# Altium PCB PCB_drone.PcbDoc (part 2 of 2)
Units mm, origin at the board's own origin, x right, y up, seen from the top; angles counter-clockwise.
Board outline 100 x 100 mm, 2 copper layers (Top Layer, Bottom Layer); 74 components, 53 nets, 290 pads, 74 vias.
Unrouted connection lines stored in the file: 2.
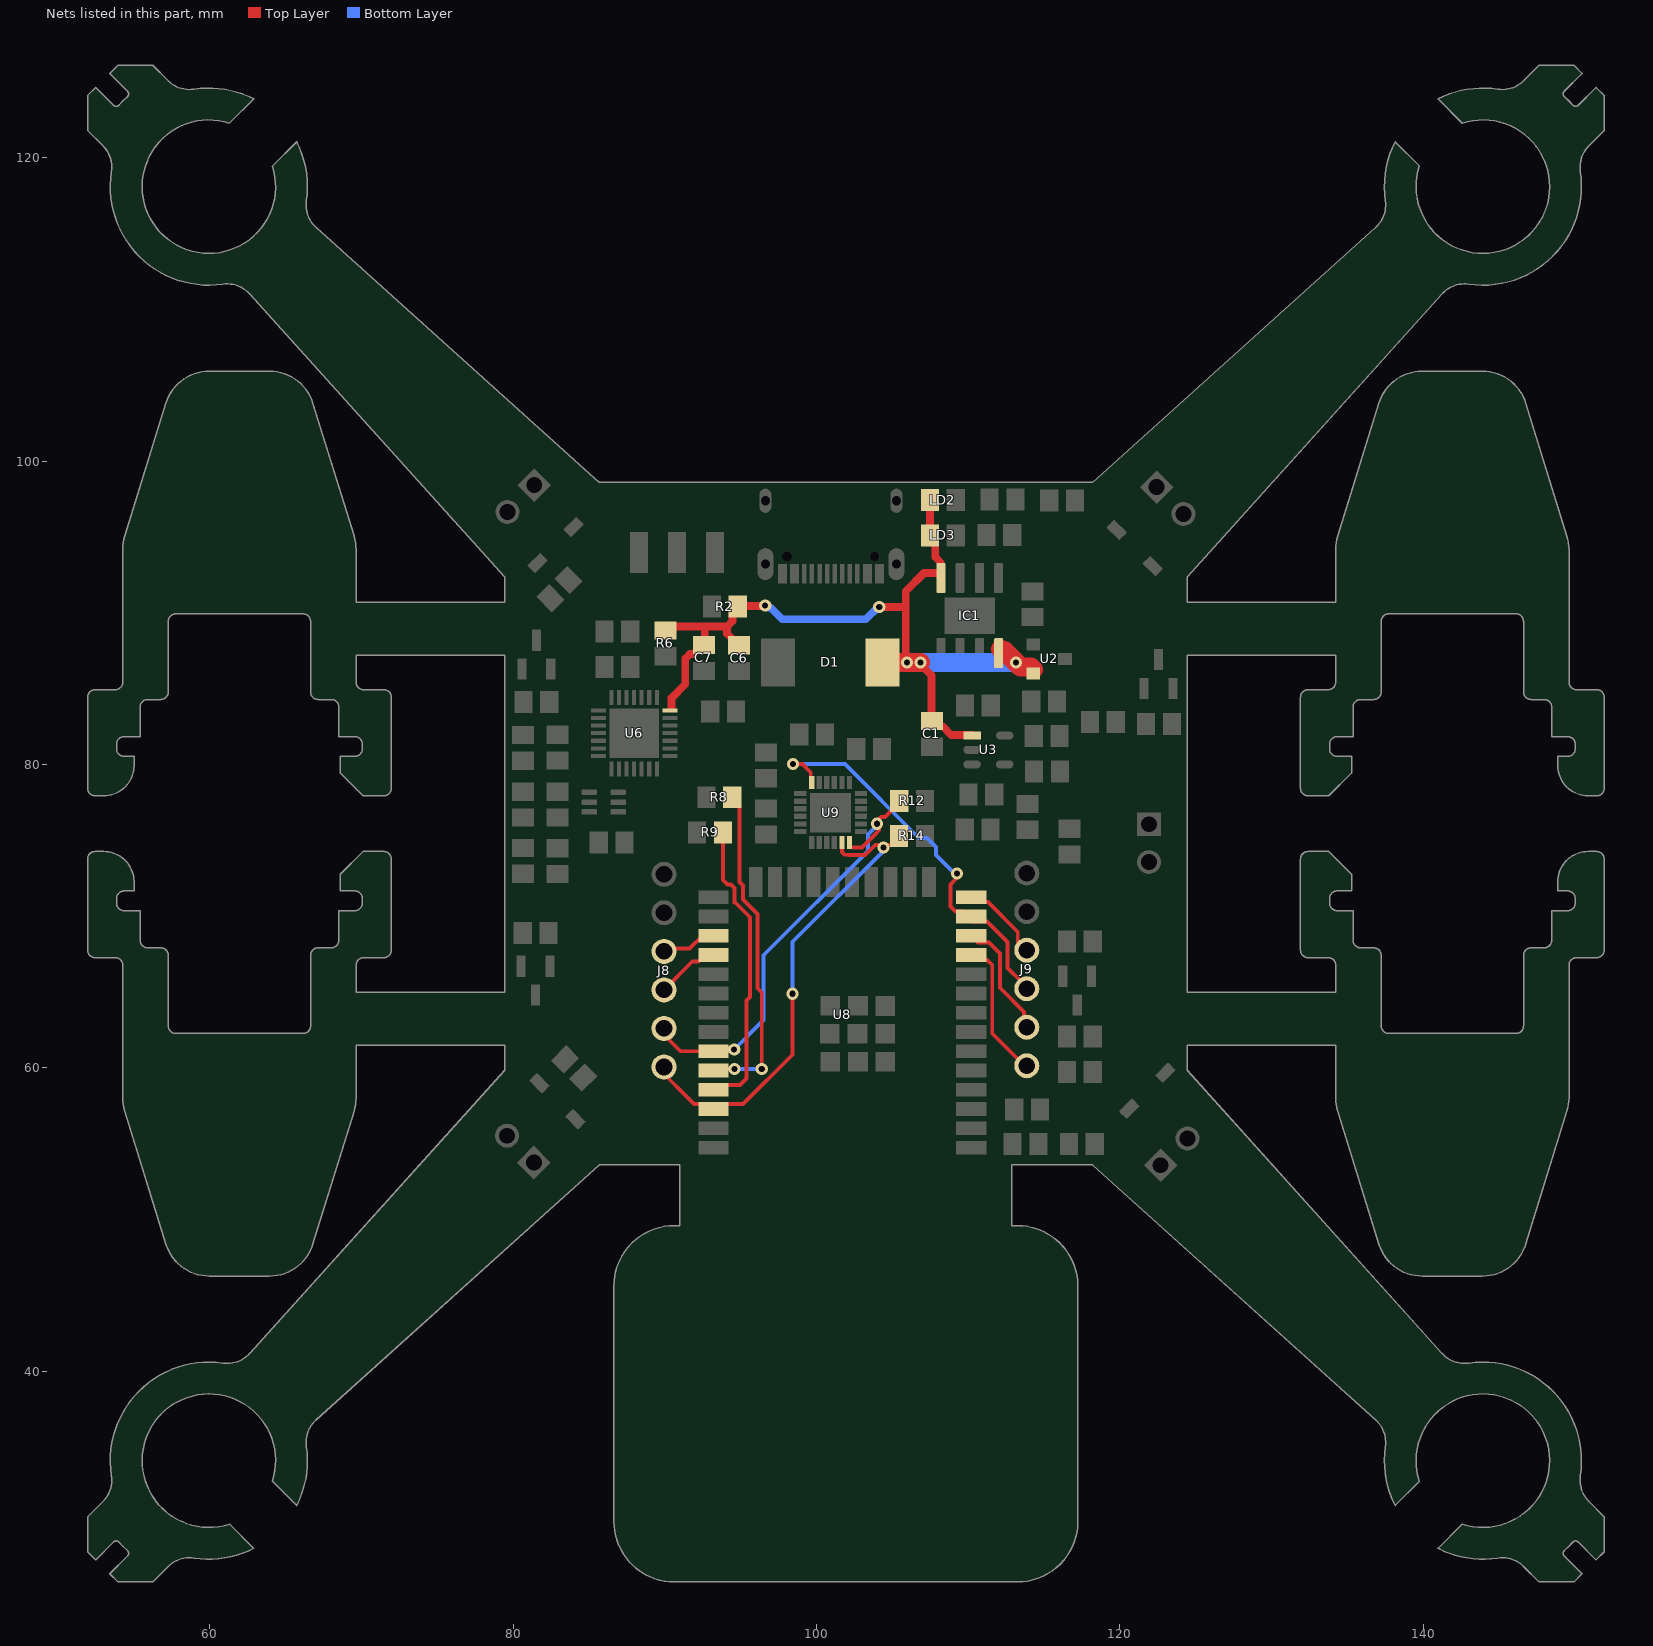
[diagram p2: the nets of this part, all layers, seen from the top]

## Via types
v1: diameter 0.8, hole 0.4, Top Layer to Bottom Layer, tented both sides, 68 vias
v2: diameter 0.5, hole 0.2, Top Layer to Bottom Layer, 4 vias
v3: diameter 0.8, hole 0.4, Top Layer to Bottom Layer, 2 vias

## Nets (pads, with @x,y where several pads share a name; then routed paths per layer and width w, separated by ;. In a path a pad name is that pad's centre, name@x,y a point inside that pad or via, vN(x,y) a via of type N, cw(c..) or ccw(c..) an arc to the next point about the centre after c; other vN are vias at no path point) (continued)
RX: R8.2 U8.34 | length 21.6
  Top Layer w0.254: U8.34@93.57,59.88 93.615,59.925 v1(94.596,59.925) ; R8.2@94.324,77.851 94.922,77.253 94.922,72.257 95.154,72.025 95.154,71.114 96.12,70.148 96.12,65.256 96.393,64.983 v1(96.393,59.944)
  Bottom Layer w0.254: v1(94.596,59.925) 94.605,59.935 96.384,59.935 v1(96.393,59.944)
RXD2: J8.3 U8.27 | length 3.7
  Top Layer w0.254: J8.3@89.952,67.691 90.131,67.87 91.638,67.87 92.49,68.723 U8.27@93.209,68.723
SCL: J8.6 R14.2 U8.36 U9.23 | length 32.8
  Top Layer w0.254: J8.6@89.535,60.071 89.535,60.012 91.931,57.616 92.65,57.616 92.973,57.293 93.296,57.616 95.169,57.616 98.425,60.872 v1(98.425,64.897) ; U9.23@101.683,74.868 101.683,74.229 101.85,74.062 102.131,74.062 102.152,74.041 103.213,74.041 103.874,74.702 104.976,74.702 105.449,75.175 R14.2@105.449,75.3
  Bottom Layer w0.254: v1(98.425,64.897) 98.425,68.326 104.417,74.318 v1(104.417,74.526)
SDA: J8.5 R12.2 U8.33 U9.24 | length 29.5
  Top Layer w0.254: J8.5@89.535,62.611 91.043,61.103 92.973,61.103 93.084,61.214 v1(94.577,61.214) ; 102.362,74.549 103.003,74.549 103.992,75.539 103.992,75.546 104.119,75.673 v1@104.119,76.105 ; v1(103.987,76.105) v1@104.119,76.105 ; R12.2@105.455,77.611 105.455,77.486 104.528,76.558 104.244,76.558 104.119,76.433 v1@104.119,76.105
  Bottom Layer w0.254: v1(94.577,61.214) 96.52,63.157 96.52,67.437 103.401,74.318 103.401,75.407 103.987,75.993 v1(103.987,76.105)
SRV_1: J9.3 U8.14 | length 5.4
  Top Layer w0.254: U8.14@109.973,71.263 110.296,70.94 111.305,70.94 113.271,68.974 113.271,68.212 J9.3@113.538,67.945
SRV_2: J9.4 U8.13 U9.12 | length 27.2
  Top Layer w0.254: v1(98.45,80.035) 99.072,80.035 99.627,79.481 U9.12@99.627,79.183 ; v1(109.271,72.822) 109.271,72.547 108.828,72.104 108.828,70.655 109.167,70.316 109.65,70.316 110.296,69.67 U8.13@110.532,69.67 ; U8.13@110.209,69.993 U8.13@110.532,69.67 ; U8.13@111.015,69.67 U8.13@110.532,69.67 ; J9.4@113.538,65.338 113.538,65.668 112.606,66.6 112.606,68.315 111.251,69.67 U8.13@110.532,69.67
  Bottom Layer w0.254: v1(98.45,80.035) 101.879,80.035 106.747,75.168 107.279,75.168 107.874,74.573 107.874,74.041 109.093,72.822 v1(109.271,72.822)
SRV_3: J9.5 U8.12 | length 8
  Top Layer w0.254: U8.12@110.209,68.723 110.648,68.284 111.367,68.284 112.098,67.553 112.098,65.292 113.687,63.703 113.687,62.869 J9.5@113.868,62.687
SRV_4: J9.6 U8.11 | length 9.2
  Top Layer w0.254: U8.11@109.973,67.453 110.296,67.13 111.251,67.13 111.59,66.791 111.59,65.575 111.59,62.273 J9.6@113.538,60.325
TX: R9.2 U8.35 | length 19.9
  Top Layer w0.254: U8.35@92.973,58.563 93.296,58.886 94.954,58.886 95.377,59.309 95.377,64.44 95.612,64.675 95.612,69.938 94.655,70.895 94.59,70.895 94.59,71.871 94.367,72.094 94.131,72.094 93.832,72.393 R9.2@93.832,75.438
TXD2: J8.4 U8.28 | length 4.2
  Top Layer w0.254: J8.4@89.952,65.151 91.815,67.014 92.22,67.014 92.659,67.453 U8.28@93.209,67.453
Vbus: C1.1 C6.2 C7.2 D1.C IC1.4 IC1.8 LD2.2 LD3.2 R2.1 R6.1 U2.2 U3.1 U6.7 | length 57.2
  Top Layer w0.508: R6.1@90.263,88.57 90.292,88.6 R6.1@90.504,88.812 ; 90.449,83.769 90.449,84.397 91.35,85.298 91.35,86.993 91.648,87.29 91.866,87.29 92.458,87.882 C7.2@92.583,87.882 92.627,87.926 92.627,89.103 ; R6.1@90.5,89.115 92.627,89.115 92.627,89.103 ; 92.449,89.103 92.627,89.103 ; C6.2@94.996,87.87 C6.2@94.894,87.87 94.871,87.87 94.107,88.634 94.107,89.103 ; v1(96.622,90.5) 96.584,90.462 94.843,90.462 R2.1@94.805,90.424 94.459,90.078 94.459,89.455 94.107,89.103 ; v1(104.14,90.39) 105.749,90.39 105.885,90.526 ; v1@105.918,86.741 105.885,86.774 105.885,90.526 ; v1@106.807,86.741 106.807,86.662 107.582,85.887 ; LD2.2@107.481,97.434 LD3.2@107.481,95.123 107.827,94.777 107.827,93.696 108.204,93.319 108.204,92.635 107.091,92.635 105.885,91.428 105.885,90.526 ; 107.588,85.887 107.588,82.779 107.837,82.53 108.318,82.53 108.896,81.952 U3.1@110.236,81.952 ; 92.627,89.103 94.107,89.103
  Top Layer w1.27: D1.C@104.389,86.741 v1(105.965,86.741) v1(106.854,86.741) ; IC1.4@112.133,87.633 112.263,87.503 112.395,87.503 v1(113.157,86.741) 113.462,86.436 114.128,86.436 U2.2@114.291,86.274
  Bottom Layer w0.508: v1(96.622,90.5) 96.701,90.5 96.847,90.354 96.974,90.354 97.743,89.586 103.257,89.586 104.061,90.39 v1(104.14,90.39)
  Bottom Layer w1.27: v1@106.807,86.741 v1(113.157,86.741)
pads on no net: J1. J1.A5 J1.A8 J1.A12 J1.B4 J1.B5 J1.B8 J1.S2 J1.S3 J1.S4 U6.1 U6.2 U6.10 U6.11 U6.12 U6.13 U6.14 U6.15 U6.16 U6.17 U6.18 U6.19 U6.20 U6.21 U6.22 U6.23 U6.27 U6.29 U8.4 U8.5 U8.6 U8.15 U8.16 U8.17 U8.18 U8.19 U8.20 U8.21 U8.22 U8.23 U8.24 U8.31 U8.32 U8.38 U8.39 U9.2 U9.3 U9.4 U9.5 U9.6 U9.7 U9.14 U9.15 U9.16 U9.17 U9.19 U9.21 U9.22 U9.25
copper on no net:
  other v2: 100.383,76.293 101.483,76.293 100.383,77.393 101.483,77.393

## Polygon pours and split planes (outlines as drawn)
GND on Bottom Layer "GND_L02_P003" (solid, pour order 3): 79.451,92.354 85.7,98.603 118.212,98.603 124.294,92.519 124.435,88.621 124.435,59.842 118.212,53.619 85.7,53.619 79.451,59.868
GND on Top Layer "GND_L01_P002" (solid, pour order 2): 79.451,92.38 85.674,98.603 118.237,98.603 124.46,92.38 124.435,92.354 124.435,59.842 118.212,53.619 118.186,53.645 85.674,53.645 79.451,59.868

## Keep-outs
Keep-Out Layer:
  lines w0: 52.442,84.946 ccw(c52.442,84.446) 51.941,84.446 51.941,78.446 ccw(c52.442,78.446) 52.442,77.945 53.006,77.945 ccw(c53.006,79.945) 55.006,79.945 55.006,80.545 54.355,80.545 cw(c54.355,81.045) 53.855,81.045 ; 52.442,84.945 52.442,84.946 ; 52.442,84.945 53.765,84.945 ccw(c53.765,85.446) 54.265,85.446 54.265,94.183 cw(c57.265,94.183) 54.399,95.07 57.111,103.83 cw(c59.977,102.943) 59.977,105.943 ; 53.855,70.876 ccw(c54.355,70.876) 54.356,70.376 55.406,70.376 55.406,68.426 55.406,68.426 ccw(c55.906,68.426) 55.906,67.926 56.765,67.926 cw(c56.765,67.426) 57.265,67.426 57.265,62.776 ccw(c57.765,62.776) 57.765,62.276 66.146,62.276 ; 53.856,70.876 53.856,71.176 cw(c54.355,71.176) 54.356,71.676 55.006,71.676 55.006,72.276 ccw(c53.006,72.276) 53.006,74.276 52.442,74.276 ccw(c52.442,73.776) 51.941,73.776 51.942,67.776 ccw(c52.442,67.776) 52.442,67.276 53.765,67.276 cw(c53.765,66.776) 54.265,66.776 54.265,58.038 ccw(c57.265,58.038) 54.399,57.151 57.111,48.391 ccw(c59.977,49.278) 59.977,46.278 63.934,46.278 ; 53.855,70.876 53.856,70.876 ; 53.856,81.046 53.856,81.345 cw(c54.355,81.345) 54.356,81.845 55.406,81.845 55.406,83.796 cw(c55.906,83.796) 55.906,84.296 56.765,84.295 ccw(c56.765,84.796) 57.265,84.796 57.265,89.446 cw(c57.765,89.446) 57.765,89.945 66.146,89.945 cw(c66.146,89.446) 66.646,89.446 66.646,84.796 ccw(c67.146,84.796) 67.146,84.295 68.006,84.295 cw(c68.006,83.796) 68.506,83.796 68.506,81.845 69.556,81.845 cw(c69.556,81.345) 70.055,81.345 70.056,81.046 cw(c69.556,81.045) 69.556,80.545 68.606,80.545 68.606,79.446 70.106,77.945 71.47,77.945 ccw(c71.47,78.446) 71.97,78.446 71.97,84.446 ccw(c71.47,84.446) 71.47,84.945 70.146,84.945 cw(c70.146,85.446) 69.646,85.446 69.646,85.446 69.646,87.219 79.442,87.219 79.442,65.003 69.646,65.003 69.646,66.776 cw(c70.146,66.776) 70.146,67.276 ; 53.855,81.046 53.856,81.046 ; 54.575,27.824 ccw(c54.398,28.001) 54.566,28.186 54.568,28.184 cw(c59.942,34.111) 54.015,28.737 54.017,28.735 ccw(c53.832,28.567) 53.655,28.744 52.482,27.57 51.941,28.111 51.941,30.405 52.953,31.416 ccw(c51.538,32.831) 53.516,33.133 53.514,33.139 cw(c59.941,34.111) 60.869,40.544 60.865,40.545 ccw(c61.15,42.524) 62.636,41.186 79.442,59.85 79.442,61.503 69.646,61.503 69.646,58.038 cw(c66.646,58.038) 69.512,57.151 66.8,48.391 cw(c63.934,49.278) 63.934,46.278 ; 54.574,27.824 54.575,27.824 ; 54.574,27.824 53.401,26.651 53.941,26.111 56.236,26.111 57.247,27.122 cw(c58.662,25.708) 58.964,27.685 58.958,27.685 ccw(c59.941,34.111) 62.892,28.319 62.901,28.323 61.299,29.925 61.301,29.926 cw(c59.941,34.111) 64.128,32.758 64.127,32.754 65.729,31.152 65.728,31.149 ccw(c59.942,34.111) 66.376,35.034 cw(c68.355,35.319) 67.017,36.805 ; 57.247,125.099 ccw(c58.662,126.514) 58.964,124.537 58.969,124.538 cw(c59.941,118.111) 62.903,123.897 61.294,122.298 ccw(c59.941,118.111) 64.126,119.47 64.127,119.468 65.729,121.07 65.728,121.072 cw(c59.941,118.111) 66.375,117.184 66.376,117.187 ccw(c68.355,116.902) 67.017,115.416 85.681,98.611 94.291,98.611 109.592,98.611 118.202,98.611 136.866,115.416 ; 57.247,125.1 56.236,126.111 53.941,126.111 53.401,125.57 54.574,124.397 54.571,124.401 cw(c54.398,124.22) 54.566,124.035 54.568,124.037 ccw(c59.941,118.111) 54.015,123.484 54.017,123.487 cw(c53.832,123.654) 53.655,123.478 53.655,123.478 52.482,124.651 51.941,124.111 51.941,121.816 52.953,120.805 cw(c51.538,119.391) 53.515,119.088 53.516,119.094 ccw(c59.941,118.111) 60.857,111.675 60.865,111.677 cw(c61.15,109.697) 62.636,111.035 79.442,92.371 79.442,90.719 69.646,90.719 69.646,94.183 ccw(c66.646,94.183) 69.512,95.07 66.8,103.83 ccw(c63.934,102.943) 63.934,105.943 59.977,105.943 ; 57.247,125.099 57.247,125.1 ; 59.977,105.943 59.977,105.943 ; 63.934,46.278 63.934,46.278 ; 66.146,62.276 ccw(c66.146,62.776) 66.646,62.776 66.646,67.426 cw(c67.146,67.426) 67.146,67.926 68.006,67.926 ccw(c68.006,68.426) 68.506,68.426 68.506,70.376 69.556,70.376 ccw(c69.556,70.876) 70.056,70.876 70.056,71.176 ; 66.146,62.276 66.146,62.276 ; 67.017,36.805 85.681,53.611 90.991,53.611 90.991,49.611 90.641,49.611 ccw(c90.641,45.611) 86.641,45.611 86.641,30.111 ccw(c90.641,30.111) 90.641,26.111 113.242,26.111 ccw(c113.242,30.111) 117.242,30.111 117.242,45.611 ccw(c113.242,45.611) 113.242,49.611 112.892,49.611 112.892,53.611 118.202,53.611 136.866,36.805 cw(c135.528,35.319) 137.507,35.034 137.508,35.038 ccw(c143.941,34.111) 138.154,31.152 139.757,32.751 cw(c143.942,34.111) 142.589,29.924 142.584,29.925 140.982,28.323 140.98,28.324 ccw(c143.942,34.111) 144.913,27.684 144.919,27.685 cw(c145.221,25.708) 146.636,27.122 ; 67.017,36.805 67.017,36.805 ; 70.055,71.176 ccw(c69.556,71.176) 69.556,71.676 68.606,71.676 68.606,72.776 70.106,74.276 71.47,74.276 cw(c71.47,73.776) 71.97,73.776 71.97,67.776 cw(c71.47,67.776) 71.47,67.276 70.146,67.276 ; 70.055,71.176 70.056,71.176 ; 70.146,67.276 70.146,67.276 ; 93.442,29.111 ccw(c94.442,29.111) 94.442,28.111 ; 93.442,29.111 ccw(c94.442,29.111) 94.442,28.111 ; 93.442,29.111 93.442,46.611 cw(c94.442,46.611) 94.442,47.611 109.441,47.611 cw(c109.441,46.611) 110.441,46.611 110.441,29.111 cw(c109.441,29.111) 109.441,28.111 94.442,28.111 ; 93.442,29.111 94.442,28.111 ; 131.913,67.776 ccw(c132.413,67.776) 132.413,67.276 133.737,67.276 cw(c133.737,66.776) 134.237,66.776 134.237,65.003 124.441,65.003 124.441,87.219 134.237,87.219 134.237,85.446 cw(c133.737,85.446) 133.737,84.946 132.413,84.945 ; 131.913,67.776 131.913,73.776 cw(c132.413,73.776) 132.413,74.276 133.777,74.276 135.277,72.776 135.277,71.676 134.327,71.676 ; 131.913,67.776 131.913,67.776 ; 132.413,84.946 ccw(c132.413,84.446) 131.913,84.446 131.913,78.446 ccw(c132.413,78.446) 132.413,77.945 133.777,77.945 135.277,79.446 135.277,80.545 134.327,80.545 cw(c134.327,81.045) 133.827,81.045 133.827,81.345 cw(c134.327,81.345) 134.327,81.846 135.377,81.845 135.377,83.796 cw(c135.877,83.796) 135.877,84.295 136.737,84.296 ccw(c136.737,84.796) 137.237,84.796 137.237,89.446 cw(c137.737,89.446) 137.737,89.946 ; 132.413,84.945 132.413,84.946 ; 134.327,71.676 ccw(c134.327,71.176) 133.827,71.176 133.827,70.876 ccw(c134.327,70.876) 134.327,70.376 135.377,70.376 135.377,68.426 ccw(c135.877,68.426) 135.877,67.926 136.737,67.926 cw(c136.737,67.426) 137.237,67.426 137.237,67.426 137.237,62.776 ccw(c137.737,62.776) 137.737,62.276 146.118,62.276 ; 134.327,71.676 134.327,71.676 ; 136.866,115.416 ccw(c135.528,116.902) 137.508,117.184 cw(c143.942,118.111) 138.155,121.072 138.154,121.07 139.756,119.468 139.755,119.463 ccw(c143.942,118.111) 142.582,122.295 140.982,123.898 140.991,123.902 cw(c143.942,118.111) 144.925,124.536 144.919,124.537 ccw(c145.221,126.514) 146.636,125.1 147.647,126.111 149.942,126.111 150.482,125.57 149.309,124.397 ; 136.866,115.416 136.866,115.416 ; 137.083,48.391 ccw(c139.948,49.278) 139.948,46.278 143.906,46.278 ; 137.083,48.391 134.371,57.151 cw(c137.237,58.038) 134.237,58.038 134.237,61.503 124.441,61.503 124.441,59.85 141.247,41.186 ccw(c142.733,42.524) 143.018,40.545 143.026,40.546 cw(c143.942,34.111) 150.367,33.127 150.368,33.133 ccw(c152.345,32.831) 150.93,31.416 151.942,30.405 151.942,28.111 151.401,27.57 150.228,28.744 ; 137.083,48.391 137.083,48.391 ; 137.737,89.945 146.118,89.945 cw(c146.118,89.446) 146.618,89.446 ; 137.737,89.945 137.737,89.946 ; 139.948,105.943 ccw(c139.948,102.943) 137.083,103.83 134.371,95.07 ccw(c137.237,94.183) 134.237,94.183 134.237,90.719 124.441,90.719 124.441,92.371 141.247,111.035 cw(c142.733,109.697) 143.018,111.676 143.014,111.677 ccw(c143.942,118.111) 150.369,119.082 150.367,119.088 cw(c152.345,119.391) 150.93,120.805 ; 139.948,105.943 143.906,105.943 cw(c143.906,102.943) 146.772,103.83 149.484,95.07 cw(c146.618,94.183) 149.618,94.183 149.618,85.446 ; 139.948,105.943 139.948,105.943 ; 143.906,46.278 ccw(c143.906,49.278) 146.772,48.391 ; 143.906,46.278 143.906,46.278 ; 146.118,62.276 ccw(c146.118,62.776) 146.618,62.776 146.618,67.426 cw(c147.118,67.426) 147.118,67.926 147.977,67.926 ccw(c147.977,68.426) 148.477,68.426 148.477,70.376 149.527,70.376 ccw(c149.527,70.876) 150.027,70.876 150.027,71.176 ; 146.118,62.276 146.118,62.276 ; 146.618,84.796 ccw(c147.118,84.796) 147.118,84.295 147.977,84.295 cw(c147.977,83.796) 148.477,83.796 148.477,81.845 149.527,81.845 cw(c149.527,81.345) 150.027,81.345 150.027,81.046 cw(c149.527,81.045) 149.527,80.545 148.877,80.545 148.877,79.945 ccw(c150.877,79.945) 150.877,77.945 151.441,77.945 ccw(c151.441,78.446) 151.942,78.446 151.941,84.446 ccw(c151.441,84.446) 151.441,84.945 150.118,84.945 cw(c150.118,85.446) 149.618,85.446 ; 146.618,84.796 146.618,89.446 ; 146.618,84.796 146.618,84.796 ; 146.618,89.446 146.618,89.446 ; 146.636,27.122 147.647,26.111 149.942,26.111 150.482,26.651 149.309,27.824 cw(c149.485,28.001) 149.318,28.186 149.315,28.184 ccw(c143.942,34.111) 149.868,28.737 149.866,28.735 cw(c150.051,28.567) 150.228,28.744 ; 146.636,27.122 146.636,27.122 ; 146.772,48.391 149.484,57.151 ccw(c146.618,58.038) 149.618,58.038 149.618,66.776 cw(c150.118,66.776) 150.118,67.276 151.441,67.276 ccw(c151.441,67.776) 151.942,67.776 151.942,73.776 ccw(c151.441,73.776) 151.441,74.276 150.877,74.276 ccw(c150.877,72.276) 148.877,72.276 148.877,71.676 149.527,71.676 cw(c149.527,71.176) 150.027,71.176 ; 146.772,48.391 146.772,48.391 ; 149.309,124.397 ccw(c149.485,124.22) 149.317,124.035 149.315,124.037 cw(c143.942,118.111) 149.866,123.487 ccw(c150.051,123.654) 150.228,123.478 151.401,124.651 151.942,124.111 151.942,121.816 150.93,120.805 ; 149.309,124.397 149.309,124.397 ; 149.618,85.446 149.618,85.446 ; 150.027,71.176 150.027,71.176 ; 150.228,28.744 150.228,28.744 ; 150.93,120.805 150.93,120.805 ; 58.341,55.01 cw(c60.729,55.749) 60.729,58.249 63.179,58.249 cw(c63.179,55.749) 65.567,55.01 64.479,51.273 cw(c63.199,51.669) 63.179,50.329 60.789,50.329 cw(c60.769,51.669) 59.489,51.273 58.341,55.01
  lines w0.254: 52.442,84.946 ccw(c52.442,84.446) 51.941,84.446 51.941,78.446 ccw(c52.442,78.446) 52.442,77.945 53.006,77.945 ccw(c53.006,79.945) 55.006,79.945 55.006,80.545 54.355,80.545 cw(c54.355,81.045) 53.855,81.045 ; 52.442,84.945 52.442,84.946 ; 52.442,84.945 53.765,84.945 ccw(c53.765,85.446) 54.265,85.446 54.265,94.183 cw(c57.265,94.183) 54.399,95.07 57.111,103.83 cw(c59.977,102.943) 59.977,105.943 ; 53.855,70.876 ccw(c54.355,70.876) 54.356,70.376 55.406,70.376 55.406,68.426 55.406,68.426 ccw(c55.906,68.426) 55.906,67.926 56.765,67.926 cw(c56.765,67.426) 57.265,67.426 57.265,62.776 ccw(c57.765,62.776) 57.765,62.276 66.146,62.276 ; 53.856,70.876 53.856,71.176 cw(c54.355,71.176) 54.356,71.676 55.006,71.676 55.006,72.276 ccw(c53.006,72.276) 53.006,74.276 52.442,74.276 ccw(c52.442,73.776) 51.941,73.776 51.942,67.776 ccw(c52.442,67.776) 52.442,67.276 53.765,67.276 cw(c53.765,66.776) 54.265,66.776 54.265,58.038 ccw(c57.265,58.038) 54.399,57.151 57.111,48.391 ccw(c59.977,49.278) 59.977,46.278 63.934,46.278 ; 53.855,70.876 53.856,70.876 ; 53.856,81.046 53.856,81.345 cw(c54.355,81.345) 54.356,81.845 55.406,81.845 55.406,83.796 cw(c55.906,83.796) 55.906,84.296 56.765,84.295 ccw(c56.765,84.796) 57.265,84.796 57.265,89.446 cw(c57.765,89.446) 57.765,89.945 66.146,89.945 cw(c66.146,89.446) 66.646,89.446 66.646,84.796 ccw(c67.146,84.796) 67.146,84.295 68.006,84.295 cw(c68.006,83.796) 68.506,83.796 68.506,81.845 69.556,81.845 cw(c69.556,81.345) 70.055,81.345 70.056,81.046 cw(c69.556,81.045) 69.556,80.545 68.606,80.545 68.606,79.446 70.106,77.945 71.47,77.945 ccw(c71.47,78.446) 71.97,78.446 71.97,84.446 ccw(c71.47,84.446) 71.47,84.945 70.146,84.945 cw(c70.146,85.446) 69.646,85.446 69.646,85.446 69.646,87.219 79.442,87.219 79.442,65.003 69.646,65.003 69.646,66.776 cw(c70.146,66.776) 70.146,67.276 ; 53.855,81.046 53.856,81.046 ; 54.575,27.824 ccw(c54.398,28.001) 54.566,28.186 54.568,28.184 cw(c59.942,34.111) 54.015,28.737 54.017,28.735 ccw(c53.832,28.567) 53.655,28.744 52.482,27.57 51.941,28.111 51.941,30.405 52.953,31.416 ccw(c51.538,32.831) 53.516,33.133 53.514,33.139 cw(c59.941,34.111) 60.869,40.544 60.865,40.545 ccw(c61.15,42.524) 62.636,41.186 79.442,59.85 79.442,61.503 69.646,61.503 69.646,58.038 cw(c66.646,58.038) 69.512,57.151 66.8,48.391 cw(c63.934,49.278) 63.934,46.278 ; 54.574,27.824 54.575,27.824 ; 54.574,27.824 53.401,26.651 53.941,26.111 56.236,26.111 57.247,27.122 cw(c58.662,25.708) 58.964,27.685 58.958,27.685 ccw(c59.941,34.111) 62.892,28.319 62.901,28.323 61.299,29.925 61.301,29.926 cw(c59.941,34.111) 64.128,32.758 64.127,32.754 65.729,31.152 65.728,31.149 ccw(c59.942,34.111) 66.376,35.034 cw(c68.355,35.319) 67.017,36.805 ; 57.247,125.099 ccw(c58.662,126.514) 58.964,124.537 58.969,124.538 cw(c59.941,118.111) 62.903,123.897 61.294,122.298 ccw(c59.941,118.111) 64.126,119.47 64.127,119.468 65.729,121.07 65.728,121.072 cw(c59.941,118.111) 66.375,117.184 66.376,117.187 ccw(c68.355,116.902) 67.017,115.416 85.681,98.611 94.291,98.611 109.592,98.611 118.202,98.611 136.866,115.416 ; 57.247,125.1 56.236,126.111 53.941,126.111 53.401,125.57 54.574,124.397 54.571,124.401 cw(c54.398,124.22) 54.566,124.035 54.568,124.037 ccw(c59.941,118.111) 54.015,123.484 54.017,123.487 cw(c53.832,123.654) 53.655,123.478 53.655,123.478 52.482,124.651 51.941,124.111 51.941,121.816 52.953,120.805 cw(c51.538,119.391) 53.515,119.088 53.516,119.094 ccw(c59.941,118.111) 60.857,111.675 60.865,111.677 cw(c61.15,109.697) 62.636,111.035 79.442,92.371 79.442,90.719 69.646,90.719 69.646,94.183 ccw(c66.646,94.183) 69.512,95.07 66.8,103.83 ccw(c63.934,102.943) 63.934,105.943 59.977,105.943 ; 57.247,125.099 57.247,125.1 ; 59.977,105.943 59.977,105.943 ; 63.934,46.278 63.934,46.278 ; 65.289,111.825 cw(c65.476,111.992) 65.308,112.177 ; 65.289,111.825 cw(c65.476,111.992) 65.308,112.177 ; 65.289,111.825 68.773,108.347 ccw(c68.94,108.533) 69.125,108.365 69.691,108.93 ccw(c69.523,109.116) 69.709,109.283 66.227,112.763 ccw(c66.06,112.576) 65.875,112.744 cw(c59.95,118.117) 65.312,112.182 65.308,112.177 ; 66.146,62.276 ccw(c66.146,62.776) 66.646,62.776 66.646,67.426 cw(c67.146,67.426) 67.146,67.926 68.006,67.926 ccw(c68.006,68.426) 68.506,68.426 68.506,70.376 69.556,70.376 ccw(c69.556,70.876) 70.056,70.876 70.056,71.176 ; 66.146,62.276 66.146,62.276 ; 67.017,36.805 85.681,53.611 90.991,53.611 90.991,49.611 90.641,49.611 ccw(c90.641,45.611) 86.641,45.611 86.641,30.111 ccw(c90.641,30.111) 90.641,26.111 113.242,26.111 ccw(c113.242,30.111) 117.242,30.111 117.242,45.611 ccw(c113.242,45.611) 113.242,49.611 112.892,49.611 112.892,53.611 118.202,53.611 136.866,36.805 cw(c135.528,35.319) 137.507,35.034 137.508,35.038 ccw(c143.941,34.111) 138.154,31.152 139.757,32.751 cw(c143.942,34.111) 142.589,29.924 142.584,29.925 140.982,28.323 140.98,28.324 ccw(c143.942,34.111) 144.913,27.684 144.919,27.685 cw(c145.221,25.708) 146.636,27.122 ; 67.017,36.805 67.017,36.805 ; 70.055,71.176 ccw(c69.556,71.176) 69.556,71.676 68.606,71.676 68.606,72.776 70.106,74.276 71.47,74.276 cw(c71.47,73.776) 71.97,73.776 71.97,67.776 cw(c71.47,67.776) 71.47,67.276 70.146,67.276 ; 70.055,71.176 70.056,71.176 ; 70.146,67.276 70.146,67.276 ; 93.442,29.111 ccw(c94.442,29.111) 94.442,28.111 ; 93.442,29.111 ccw(c94.442,29.111) 94.442,28.111 ; 93.442,29.111 93.442,46.611 cw(c94.442,46.611) 94.442,47.611 109.441,47.611 cw(c109.441,46.611) 110.441,46.611 110.441,29.111 cw(c109.441,29.111) 109.441,28.111 94.442,28.111 ; 131.913,67.776 ccw(c132.413,67.776) 132.413,67.276 133.737,67.276 cw(c133.737,66.776) 134.237,66.776 134.237,65.003 124.441,65.003 124.441,87.219 134.237,87.219 134.237,85.446 cw(c133.737,85.446) 133.737,84.946 132.413,84.945 ; 131.913,67.776 131.913,67.776 ; 131.913,67.776 131.913,73.776 cw(c132.413,73.776) 132.413,74.276 133.777,74.276 135.277,72.776 135.277,71.676 134.327,71.676 ; 132.413,84.946 ccw(c132.413,84.446) 131.913,84.446 131.913,78.446 ccw(c132.413,78.446) 132.413,77.945 133.777,77.945 135.277,79.446 135.277,80.545 134.327,80.545 cw(c134.327,81.045) 133.827,81.045 133.827,81.345 cw(c134.327,81.345) 134.327,81.846 135.377,81.845 135.377,83.796 cw(c135.877,83.796) 135.877,84.295 136.737,84.296 ccw(c136.737,84.796) 137.237,84.796 137.237,89.446 cw(c137.737,89.446) 137.737,89.946 ; 132.413,84.945 132.413,84.946 ; 134.327,71.676 ccw(c134.327,71.176) 133.827,71.176 133.827,70.876 ccw(c134.327,70.876) 134.327,70.376 135.377,70.376 135.377,68.426 ccw(c135.877,68.426) 135.877,67.926 136.737,67.926 cw(c136.737,67.426) 137.237,67.426 137.237,67.426 137.237,62.776 ccw(c137.737,62.776) 137.737,62.276 146.118,62.276 ; 134.327,71.676 134.327,71.676 ; 134.761,108.361 ccw(c134.947,108.529) 135.114,108.343 ; 134.761,108.361 ccw(c134.947,108.529) 135.114,108.343 ; 134.761,108.361 134.196,108.927 cw(c134.364,109.112) 134.178,109.279 137.656,112.762 cw(c137.823,112.576) 138.008,112.744 ; 135.114,108.343 138.594,111.825 ccw(c138.407,111.992) 138.575,112.177 cw(c143.941,118.11) 138.008,112.744 ; 136.866,115.416 ccw(c135.528,116.902) 137.508,117.184 cw(c143.942,118.111) 138.155,121.072 138.154,121.07 139.756,119.468 139.755,119.463 ccw(c143.942,118.111) 142.582,122.295 140.982,123.898 140.991,123.902 cw(c143.942,118.111) 144.925,124.536 144.919,124.537 ccw(c145.221,126.514) 146.636,125.1 147.647,126.111 149.942,126.111 150.482,125.57 149.309,124.397 ; 136.866,115.416 136.866,115.416 ; 137.737,89.945 146.118,89.945 cw(c146.118,89.446) 146.618,89.446 ; 137.737,89.945 137.737,89.946 ; 138.008,112.744 138.008,112.744 ; 138.575,40.044 ccw(c138.407,40.229) 138.593,40.397 ; 138.575,40.044 ccw(c138.407,40.229) 138.593,40.397 ; 138.575,40.044 138.008,39.477 cw(c137.823,39.645) 137.656,39.459 134.174,42.938 cw(c134.36,43.105) 134.192,43.291 134.758,43.856 cw(c134.943,43.688) 135.11,43.875 138.594,40.397 ; 138.593,40.397 138.594,40.397 ; 139.948,105.943 ccw(c139.948,102.943) 137.083,103.83 134.371,95.07 ccw(c137.237,94.183) 134.237,94.183 134.237,90.719 124.441,90.719 124.441,92.371 141.247,111.035 cw(c142.733,109.697) 143.018,111.676 143.014,111.677 ccw(c143.942,118.111) 150.369,119.082 150.367,119.088 cw(c152.345,119.391) 150.93,120.805 ; 139.948,105.943 143.906,105.943 cw(c143.906,102.943) 146.772,103.83 149.484,95.07 cw(c146.618,94.183) 149.618,94.183 149.618,85.446 ; 139.948,105.943 139.948,105.943 ; 143.906,46.278 ccw(c143.906,49.278) 146.772,48.391 ; 143.906,46.278 143.906,46.278 ; 143.906,46.278 139.948,46.278 cw(c139.948,49.278) 137.083,48.391 134.371,57.151 cw(c137.237,58.038) 134.237,58.038 134.237,61.503 124.441,61.503 124.441,59.85 141.247,41.186 ccw(c142.733,42.524) 143.018,40.545 143.026,40.546 cw(c143.942,34.111) 150.367,33.127 150.368,33.133 ccw(c152.345,32.831) 150.93,31.416 151.942,30.405 151.942,28.111 151.401,27.57 150.228,28.744 ; 146.118,62.276 ccw(c146.118,62.776) 146.618,62.776 146.618,67.426 cw(c147.118,67.426) 147.118,67.926 147.977,67.926 ccw(c147.977,68.426) 148.477,68.426 148.477,70.376 149.527,70.376 ccw(c149.527,70.876) 150.027,70.876 150.027,71.176 ; 146.118,62.276 146.118,62.276 ; 146.618,84.796 ccw(c147.118,84.796) 147.118,84.295 147.977,84.295 cw(c147.977,83.796) 148.477,83.796 148.477,81.845 149.527,81.845 cw(c149.527,81.345) 150.027,81.345 150.027,81.046 cw(c149.527,81.045) 149.527,80.545 148.877,80.545 148.877,79.945 ccw(c150.877,79.945) 150.877,77.945 151.441,77.945 ccw(c151.441,78.446) 151.942,78.446 151.941,84.446 ccw(c151.441,84.446) 151.441,84.945 150.118,84.945 cw(c150.118,85.446) 149.618,85.446 ; 146.618,84.796 146.618,89.446 ; 146.618,84.796 146.618,84.796 ; 146.618,89.446 146.618,89.446 ; 146.636,27.122 147.647,26.111 149.942,26.111 150.482,26.651 149.309,27.824 cw(c149.485,28.001) 149.318,28.186 149.315,28.184 ccw(c143.942,34.111) 149.868,28.737 149.866,28.735 cw(c150.051,28.567) 150.228,28.744 ; 146.636,27.122 146.636,27.122 ; 146.772,48.391 149.484,57.151 ccw(c146.618,58.038) 149.618,58.038 149.618,66.776 cw(c150.118,66.776) 150.118,67.276 151.441,67.276 ccw(c151.441,67.776) 151.942,67.776 151.942,73.776 ccw(c151.441,73.776) 151.441,74.276 150.877,74.276 ccw(c150.877,72.276) 148.877,72.276 148.877,71.676 149.527,71.676 cw(c149.527,71.176) 150.027,71.176 ; 146.772,48.391 146.772,48.391 ; 149.309,124.397 ccw(c149.485,124.22) 149.317,124.035 149.315,124.037 cw(c143.942,118.111) 149.866,123.487 ccw(c150.051,123.654) 150.228,123.478 151.401,124.651 151.942,124.111 151.942,121.816 150.93,120.805 ; 149.309,124.397 149.309,124.397 ; 149.618,85.446 149.618,85.446 ; 150.027,71.176 150.027,71.176 ; 150.228,28.744 150.228,28.744 ; 150.93,120.805 150.93,120.805 ; 58.341,55.01 cw(c60.729,55.749) 60.729,58.249 63.179,58.249 cw(c63.179,55.749) 65.567,55.01 64.479,51.273 cw(c63.199,51.669) 63.179,50.329 60.789,50.329 cw(c60.769,51.669) 59.489,51.273 58.341,55.01 ; 58.436,97.198 ccw(c60.824,96.459) 60.824,93.959 63.274,93.959 ccw(c63.274,96.459) 65.662,97.198 64.574,100.935 ccw(c63.294,100.539) 63.274,101.879 60.884,101.879 ccw(c60.864,100.539) 59.584,100.935 58.436,97.198 ; 65.289,40.397 ccw(c65.476,40.229) 65.308,40.044 65.875,39.477 ccw(c66.06,39.645) 66.227,39.459 69.705,42.942 ccw(c69.519,43.109) 69.687,43.294 69.12,43.861 69.122,43.86 ccw(c68.936,43.692) 68.769,43.878 65.289,40.397 ; 93.691,49.611 110.192,49.611 110.192,53.611 93.691,53.611 93.691,49.611 ; 138.288,97.219 ccw(c140.676,96.48) 140.676,93.98 143.126,93.98 ccw(c143.126,96.48) 145.514,97.219 144.426,100.956 ccw(c143.146,100.56) 143.126,101.9 140.736,101.9 ccw(c140.716,100.56) 139.436,100.956 138.288,97.219 ; 138.299,55.034 cw(c140.687,55.774) 140.687,58.273 143.137,58.273 cw(c143.137,55.774) 145.525,55.034 144.437,51.297 cw(c143.157,51.694) 143.137,50.354 140.747,50.354 cw(c140.727,51.693) 139.447,51.297 138.299,55.034

## Other copper
Top Layer:
  region: 135.141,82.07 132.141,82.07 132.141,84.07 135.141,84.07
  region: 68.456,39.182 66.334,37.059 62.675,40.721 64.792,42.847
  region: 57.033,27.527 54.911,25.405 51.252,29.066 53.369,31.192
  region: 152.665,123.141 150.548,121.015 146.884,124.68 149.006,126.802
  region: 141.399,112.059 139.282,109.933 135.618,113.598 137.74,115.721
  region: 151.701,82.07 148.701,82.07 148.701,84.07 151.701,84.07
  region: 151.701,78.317 148.701,78.317 148.701,80.317 151.701,80.317
  region: 135.141,78.336 132.141,78.336 132.141,80.336 135.141,80.336
  region: 151.701,71.885 148.701,71.885 148.701,73.885 151.701,73.885
  region: 151.701,68.157 148.701,68.157 148.701,70.157 151.701,70.157
  region: 135.141,71.885 132.141,71.885 132.141,73.885 135.141,73.885
  region: 135.141,68.151 132.141,68.151 132.141,70.151 135.141,70.151
  region: 152.454,29.369 148.793,25.71 146.667,27.827 150.332,31.491
  region: 141.132,40.449 137.471,36.79 135.345,38.907 139.01,42.571
  region: 68.723,113.108 65.058,109.444 62.936,111.566 66.597,115.225
  region: 57.019,124.687 53.354,121.023 51.232,123.145 54.893,126.804
  region: 71.741,82.07 68.741,82.07 68.741,84.07 71.741,84.07
  region: 71.741,78.336 68.741,78.336 68.741,80.336 71.741,80.336
  region: 55.181,82.07 52.181,82.07 52.181,84.07 55.181,84.07
  region: 55.181,78.336 52.181,78.336 52.181,80.336 55.181,80.336
  region: 71.741,71.885 68.741,71.885 68.741,73.885 71.741,73.885
  region: 71.741,68.151 68.741,68.151 68.741,70.151 71.741,70.151
  region: 55.181,71.885 52.181,71.885 52.181,73.885 55.181,73.885
  region: 55.181,68.151 52.181,68.151 52.181,70.151 55.181,70.151
Bottom Layer:
  region: 68.454,39.181 66.332,37.058 62.673,40.72 64.79,42.846
  region: 57.031,27.526 54.909,25.403 51.25,29.065 53.367,31.191
  region: 152.65,123.14 150.528,121.018 146.862,124.682 148.988,126.799
  region: 141.394,112.057 139.272,109.934 135.607,113.598 137.733,115.715
  region: 151.699,82.069 148.699,82.069 148.699,84.069 151.699,84.069
  region: 151.699,78.317 148.699,78.317 148.699,80.317 151.699,80.317
  region: 151.699,71.884 148.699,71.884 148.699,73.884 151.699,73.884
  region: 151.699,68.157 148.699,68.157 148.699,70.157 151.699,70.157
  region: 135.138,82.069 132.138,82.069 132.138,84.069 135.138,84.069
  region: 135.138,78.336 132.138,78.336 132.138,80.336 135.138,80.336
  region: 135.138,71.884 132.138,71.884 132.138,73.884 135.138,73.884
  region: 135.138,68.15 132.138,68.15 132.138,70.15 135.138,70.15
  region: 152.451,29.358 148.79,25.699 146.664,27.816 150.329,31.48
  region: 141.137,40.455 137.476,36.796 135.35,38.913 139.015,42.577
  region: 68.724,113.106 65.059,109.442 62.937,111.565 66.598,115.223
  region: 71.739,82.069 68.739,82.069 68.739,84.069 71.739,84.069
  region: 71.739,78.336 68.739,78.336 68.739,80.336 71.739,80.336
  region: 57.02,124.685 53.355,121.022 51.233,123.144 54.894,126.803
  region: 55.179,82.069 52.179,82.069 52.179,84.069 55.179,84.069
  region: 55.179,78.336 52.179,78.336 52.179,80.336 55.179,80.336
  region: 71.739,71.884 68.739,71.884 68.739,73.884 71.739,73.884
  region: 71.739,68.15 68.739,68.15 68.739,70.15 71.739,70.15
  region: 55.179,71.884 52.179,71.884 52.179,73.884 55.179,73.884
  region: 55.179,68.15 52.179,68.15 52.179,70.15 55.179,70.15

## Silkscreen, mask and mechanical layers (free items; w line width, h text height)
Top Overlay:
  text "BORN TO BE FREE  / FORCED TO BE GROUNDED" at 96.596,54.331 h0.5
Top Solder:
  region: 68.448,39.199 66.326,37.077 62.667,40.738 64.784,42.864
  region: 57.025,27.544 54.903,25.422 51.244,29.083 53.361,31.209
  region: 152.657,123.158 150.54,121.032 146.876,124.697 148.998,126.819
  region: 141.391,112.076 139.274,109.95 135.61,113.615 137.732,115.738
  region: 151.693,78.334 148.693,78.334 148.693,80.334 151.693,80.334
  region: 135.132,82.087 132.132,82.087 132.132,84.087 135.132,84.087
  region: 151.693,82.087 148.693,82.087 148.693,84.087 151.693,84.087
  region: 135.132,78.353 132.132,78.353 132.132,80.353 135.132,80.353
  region: 151.693,71.902 148.693,71.902 148.693,73.902 151.693,73.902
  region: 135.132,71.902 132.132,71.902 132.132,73.902 135.132,73.902
  region: 151.693,68.174 148.693,68.174 148.693,70.174 151.693,70.174
  region: 135.132,68.168 132.132,68.168 132.132,70.168 135.132,70.168
  region: 141.124,40.466 137.463,36.807 135.337,38.924 139.002,42.588
  region: 152.446,29.386 148.784,25.727 146.658,27.844 150.324,31.508
  region: 68.715,113.125 65.05,109.461 62.927,111.583 66.589,115.242
  region: 57.011,124.704 53.346,121.04 51.224,123.162 54.885,126.821
  region: 71.733,82.087 68.733,82.087 68.733,84.087 71.733,84.087
  region: 55.173,82.087 52.173,82.087 52.173,84.087 55.173,84.087
  region: 71.733,78.353 68.733,78.353 68.733,80.353 71.733,80.353
  region: 71.733,71.902 68.733,71.902 68.733,73.902 71.733,73.902
  region: 71.733,68.168 68.733,68.168 68.733,70.168 71.733,70.168
  region: 55.173,78.353 52.173,78.353 52.173,80.353 55.173,80.353
  region: 55.173,71.902 52.173,71.902 52.173,73.902 55.173,73.902
  region: 55.173,68.168 52.173,68.168 52.173,70.168 55.173,70.168
Bottom Solder:
  region: 68.45,39.177 66.328,37.055 62.669,40.716 64.786,42.842
  region: 57.028,27.522 54.905,25.4 51.246,29.061 53.364,31.187
  region: 151.696,78.313 148.696,78.313 148.696,80.313 151.696,80.313
  region: 151.696,82.066 148.696,82.066 148.696,84.066 151.696,84.066
  region: 151.696,71.88 148.696,71.88 148.696,73.88 151.696,73.88
  region: 152.659,123.136 150.542,121.01 146.878,124.675 149,126.797
  region: 141.393,112.055 139.276,109.929 135.612,113.594 137.735,115.716
  region: 135.135,78.332 132.135,78.332 132.135,80.332 135.135,80.332
  region: 135.135,82.066 132.135,82.066 132.135,84.066 135.135,84.066
  region: 135.135,71.88 132.135,71.88 132.135,73.88 135.135,73.88
  region: 151.696,68.153 148.696,68.153 148.696,70.153 151.696,70.153
  region: 152.448,29.364 148.787,25.705 146.661,27.823 150.326,31.487
  region: 141.127,40.444 137.465,36.786 135.339,38.903 139.005,42.567
  region: 135.135,68.146 132.135,68.146 132.135,70.146 135.135,70.146
  region: 71.736,71.88 68.736,71.88 68.736,73.88 71.736,73.88
  region: 71.736,78.332 68.736,78.332 68.736,80.332 71.736,80.332
  region: 71.736,82.066 68.736,82.066 68.736,84.066 71.736,84.066
  region: 71.736,68.146 68.736,68.146 68.736,70.146 71.736,70.146
  region: 68.717,113.103 65.052,109.439 62.93,111.561 66.591,115.22
  region: 57.014,124.682 53.348,121.018 51.226,123.14 54.888,126.799
  region: 55.176,78.332 52.176,78.332 52.176,80.332 55.176,80.332
  region: 55.176,82.066 52.176,82.066 52.176,84.066 55.176,84.066
  region: 55.176,68.146 52.176,68.146 52.176,70.146 55.176,70.146
  region: 55.176,71.88 52.176,71.88 52.176,73.88 55.176,73.88
Mechanical 18:
  drawing of 225 lines, arcs and shapes, not listed